# KiCad board HPM6750_COMBO_RevB .kicad_pcb (continued)
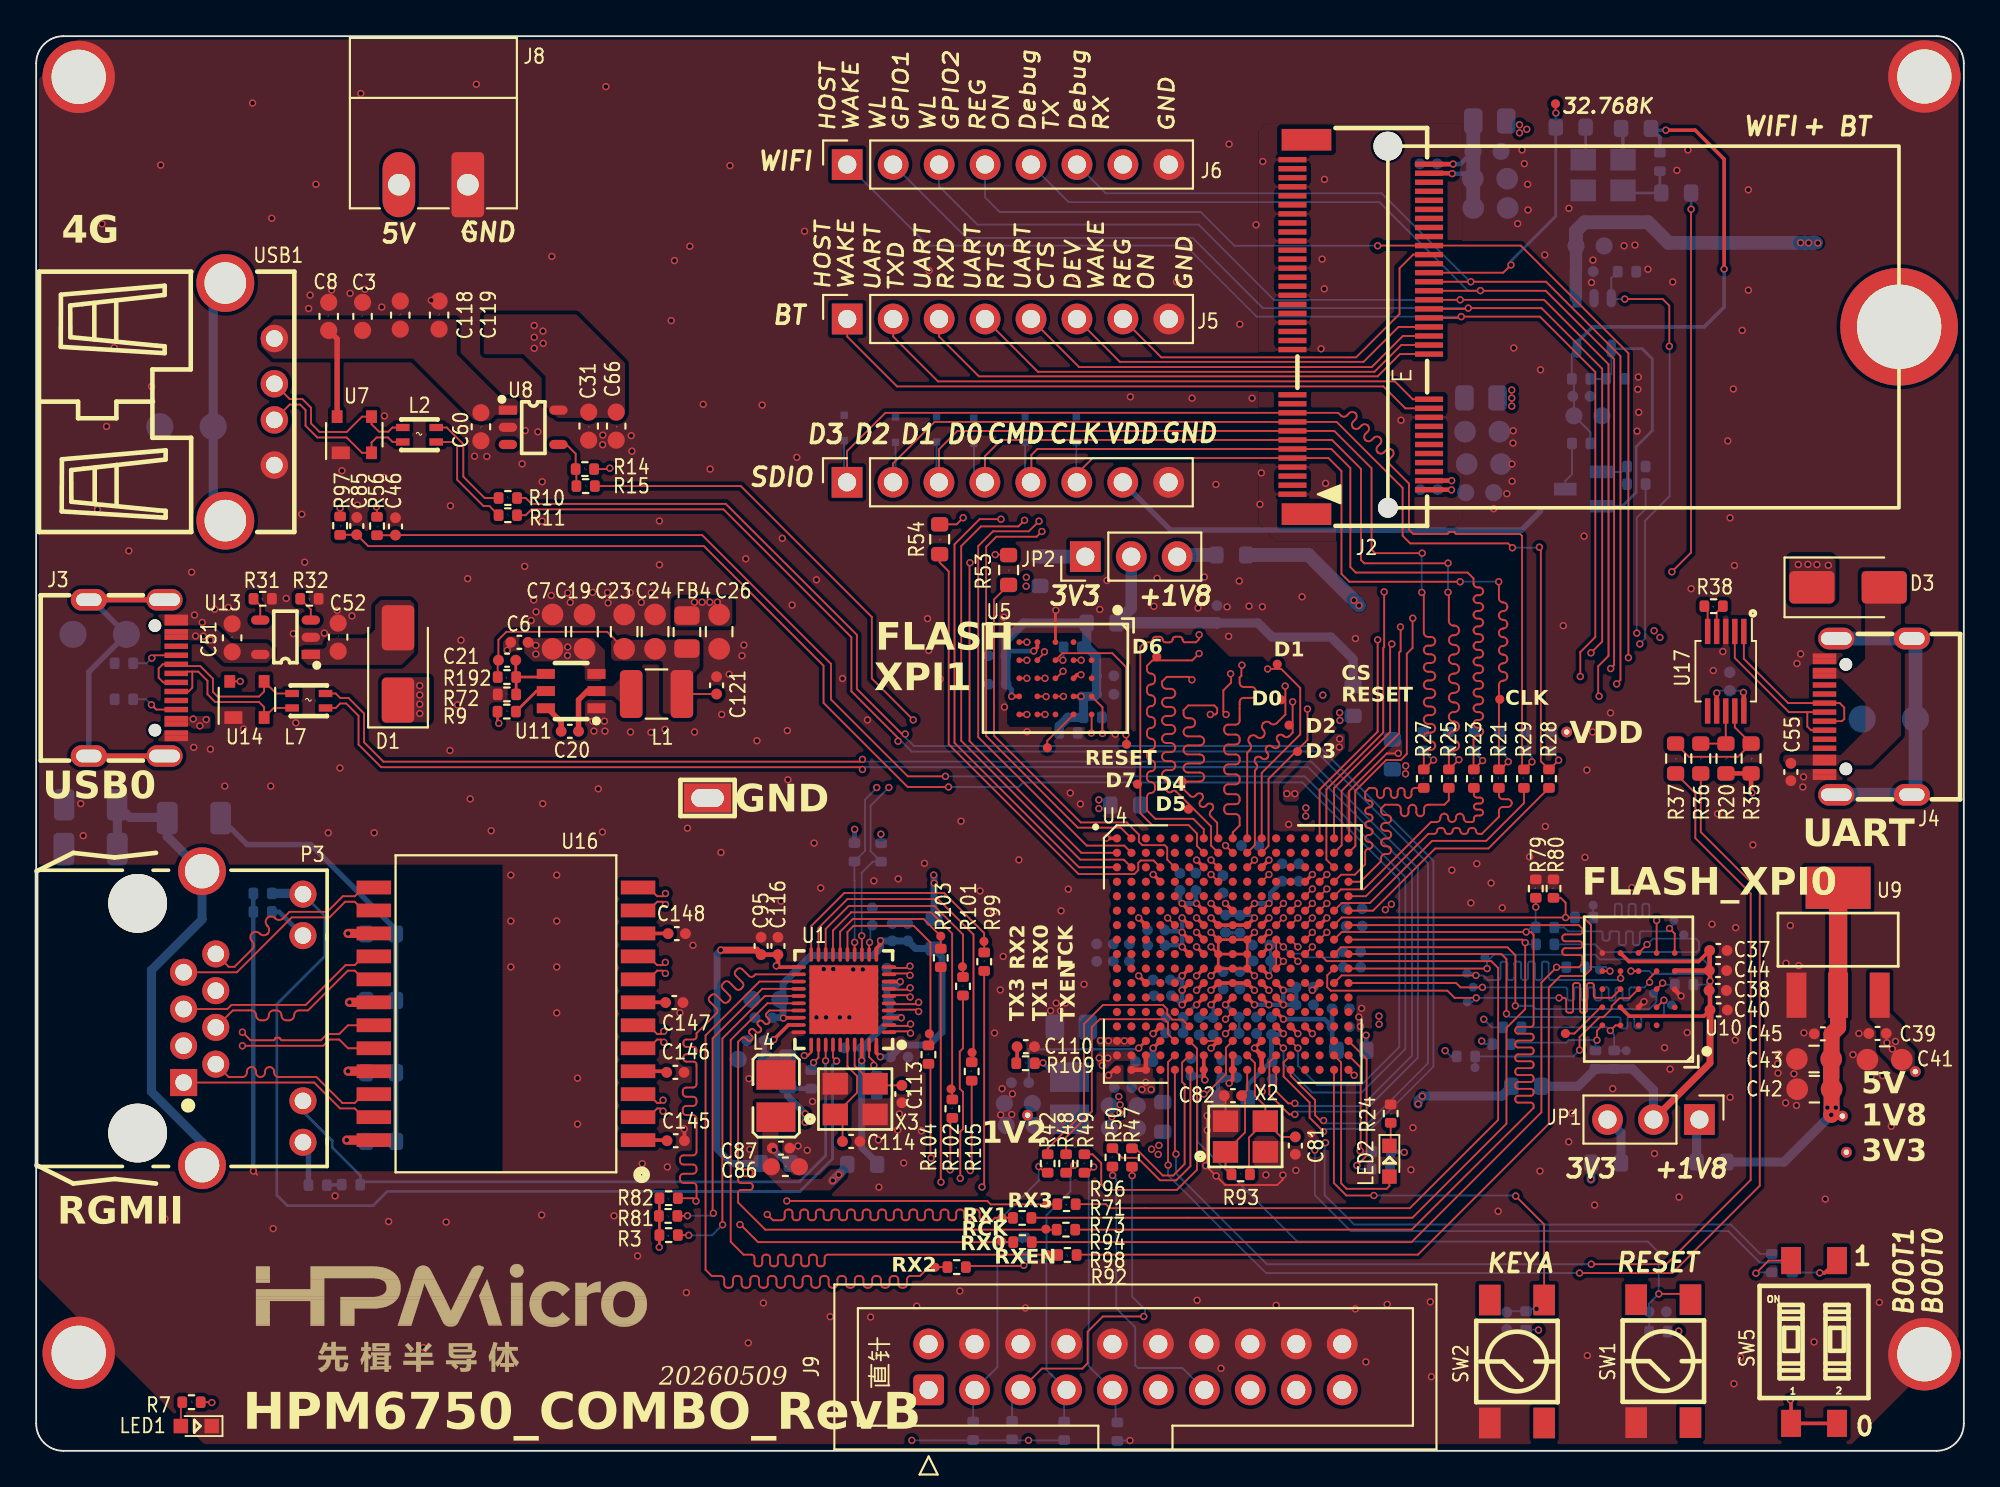
[diagram p0: board, top side]
## Routing (per net, layer and track width the routed paths; a pad name or vN(x,y) marks a point on that pad's centre or on a via; arc(x,y) is an arc through that point) (continued)
/01.MAIN/13.ETH_RGMII/RXC: length 36
  Top w0.102: U1.27 40.53,24.35 40.37,24.19 arc(40.33,24.1) 40.37,24 40.51,23.86 arc(40.55,23.77) 40.51,23.68 40.46,23.63 arc(40.37,23.59) 40.28,23.63 40.14,23.77 arc(40.04,23.81) 39.95,23.77 39.9,23.72 arc(39.86,23.63) 39.9,23.53 40.04,23.4 arc(40.08,23.3) 40.04,23.21 39.99,23.16 arc(39.9,23.12) 39.81,23.16 39.67,23.3 arc(39.57,23.34) 39.48,23.3 39.43,23.25 arc(39.4,23.16) 39.43,23.07 39.57,22.93 arc(39.61,22.83) 39.57,22.74 39.53,22.69 arc(39.43,22.65) 39.34,22.69 39.2,22.83 arc(39.11,22.87) 39.01,22.83 38.8,22.62 38.8,15.72 arc(38.84,15.61) 38.95,15.57 39.46,15.57 arc(39.56,15.52) 39.61,15.42 39.61,15.34 arc(39.56,15.23) 39.46,15.19 38.95,15.19 arc(38.84,15.14) 38.8,15.03 38.8,14.96 arc(38.84,14.85) 38.95,14.81 39.46,14.81 arc(39.56,14.76) 39.61,14.65 39.61,14.58 arc(39.56,14.47) 39.46,14.42 38.95,14.42 arc(38.84,14.38) 38.8,14.27 38.8,13.73 40.3,12.23 R73.2
/01.MAIN/13.ETH_RGMII/RXEN: length 39.1
  Top w0.102: U1.26 40.42,24.75 38.39,22.72 38.39,11.56 39.1,10.85 39.53,10.85 arc(39.65,10.8) 39.7,10.68 39.7,10.38 arc(39.75,10.26) 39.87,10.2 39.96,10.2 arc(40.08,10.26) 40.13,10.38 40.13,10.68 arc(40.18,10.8) 40.31,10.85 40.39,10.85 arc(40.51,10.8) 40.56,10.68 40.56,10.38 arc(40.61,10.26) 40.74,10.2 40.82,10.2 arc(40.94,10.26) 41,10.38 41,10.68 arc(41.05,10.8) 41.17,10.85 41.25,10.85 arc(41.38,10.8) 41.43,10.68 41.43,10.38 arc(41.48,10.26) 41.6,10.2 41.69,10.2 arc(41.81,10.26) 41.86,10.38 41.86,10.68 arc(41.91,10.8) 42.03,10.85 42.12,10.85 arc(42.24,10.8) 42.29,10.68 42.29,10.38 arc(42.34,10.26) 42.46,10.2 42.55,10.2 arc(42.67,10.26) 42.72,10.38 42.72,10.68 arc(42.77,10.8) 42.89,10.85 42.98,10.85 arc(43.1,10.8) 43.15,10.68 43.15,10.38 arc(43.2,10.26) 43.32,10.2 43.41,10.2 arc(43.53,10.26) 43.58,10.38 43.58,10.68 arc(43.63,10.8) 43.75,10.85 56.47,10.85 R98.2
/01.MAIN/13.ETH_RGMII/XTAL_IN: length 6.2
  Top w0.102: C114.1 44.57,18.2 X3.1 45.37,19.8 45.37,20.73 44.84,21.26 U1.36
/01.MAIN/13.ETH_RGMII/XTAL_OUT: length 4.2
  Top w0.102: C113.1 46.46,20.21 X3.3 46.24,20.3 45.24,21.3 U1.37
/01.MAIN/14.UART/DN: length 9.5
  Top w0.102: U17.2 93.89,43.84 96.88,40.85 97.9,40.85 ; 97.9,40.85 J4.A7 ; 97.9,40.85 97.9,40.05 98.1,39.85 J4.B7
/01.MAIN/14.UART/DP: length 10
  Top w0.102: J4.A6 99.82,40.35 99.94,40.47 99.94,41.1 99.69,41.35 J4.B6 96.84,41.35 94.39,43.8 U17.1
/01.MAIN/15.WIFI_BT/32.768K: length 14.7
  Top w0.102: v1(84,73.98) 83.98,74 TP1.1 ; v1(81.52,65.58) 81.09,65.15 J2.50
  Bottom w0.102: v1(84,73.98) 84,73.98 R67.2
  Bottom w0.152: v1(81.52,65.58) 81.52,65.8 84,68.28 R67.2
/01.MAIN/15.WIFI_BT/CLK: length 47.1
  Top w0.102: J1.6 57.52,54.02 58.4,54.9 J2.9 71.43,54.9 72.15,54.18 72.15,48.49 72.58,48.06 v1(78.71,48.06) ; v1(80.84,48.06) 80.85,48.05 80.85,47.15 arc(80.92,46.99) 81.08,46.92 arc(81.25,46.85) 81.32,46.68 81.32,46.67 arc(81.25,46.5) 81.08,46.44 arc(80.92,46.37) 80.85,46.2 80.85,46.19 arc(80.92,46.02) 81.08,45.96 arc(81.25,45.89) 81.32,45.72 81.32,45.71 arc(81.25,45.54) 81.08,45.47 arc(80.92,45.41) 80.85,45.24 80.85,45.23 arc(80.92,45.06) 81.08,44.99 arc(81.25,44.93) 81.32,44.76 81.32,44.75 arc(81.25,44.58) 81.08,44.51 arc(80.92,44.44) 80.85,44.28 80.85,44.26 arc(80.92,44.1) 81.08,44.03 arc(81.25,43.96) 81.32,43.8 81.32,43.78 arc(81.25,43.62) 81.08,43.55 arc(80.92,43.48) 80.85,43.32 80.85,43.3 arc(80.92,43.14) 81.08,43.07 arc(81.25,43) 81.32,42.84 81.32,42.82 arc(81.25,42.66) 81.08,42.59 arc(80.92,42.52) 80.85,42.36 R21.2 80.94,37.68 v1(81.37,38.11)
  Bottom w0.102: v1(80.84,48.06) v1(78.71,48.06) ; J1.6 57.49,53.59 D4.1 ; R19.1 81.37,38.26 v1(81.37,38.11)
/01.MAIN/15.WIFI_BT/CMD: length 53.6
  Top w0.102: v1(79.95,38.17) 79.47,37.69 R23.2 79.45,37.7 79.45,39.34 arc(79.51,39.49) 79.67,39.56 79.77,39.56 arc(79.92,39.62) 79.98,39.77 arc(79.92,39.92) 79.77,39.99 79.67,39.99 arc(79.51,40.05) 79.45,40.2 arc(79.51,40.35) 79.67,40.42 79.77,40.42 arc(79.92,40.48) 79.98,40.63 arc(79.92,40.79) 79.77,40.85 79.67,40.85 arc(79.51,40.91) 79.45,41.06 arc(79.51,41.22) 79.67,41.28 79.77,41.28 arc(79.92,41.34) 79.98,41.5 arc(79.92,41.65) 79.77,41.71 79.67,41.71 arc(79.51,41.77) 79.45,41.93 arc(79.51,42.08) 79.67,42.14 79.77,42.14 arc(79.92,42.2) 79.98,42.36 arc(79.92,42.51) 79.77,42.57 79.67,42.57 arc(79.51,42.64) 79.45,42.79 arc(79.51,42.94) 79.67,43 79.77,43 arc(79.92,43.07) 79.98,43.22 arc(79.92,43.37) 79.77,43.43 79.67,43.43 arc(79.51,43.5) 79.45,43.65 arc(79.51,43.8) 79.67,43.87 79.77,43.87 arc(79.92,43.93) 79.98,44.08 arc(79.92,44.23) 79.77,44.3 79.67,44.3 arc(79.51,44.36) 79.45,44.51 arc(79.51,44.66) 79.67,44.73 79.77,44.73 arc(79.92,44.79) 79.98,44.94 arc(79.92,45.1) 79.77,45.16 79.67,45.16 arc(79.51,45.22) 79.45,45.37 arc(79.51,45.53) 79.67,45.59 79.77,45.59 arc(79.92,45.65) 79.98,45.81 arc(79.92,45.96) 79.77,46.02 79.67,46.02 arc(79.51,46.08) 79.45,46.24 arc(79.51,46.39) 79.67,46.45 79.77,46.45 arc(79.92,46.51) 79.98,46.67 arc(79.92,46.82) 79.77,46.88 79.67,46.88 arc(79.51,46.95) 79.45,47.1 arc(79.51,47.25) 79.67,47.31 79.77,47.31 arc(79.92,47.38) 79.98,47.53 arc(79.92,47.68) 79.77,47.74 79.67,47.74 arc(79.51,47.81) 79.45,47.96 79.45,48.24 79.12,48.57 72.94,48.57 72.64,48.87 72.64,54.35 71.59,55.4 J2.11 55.34,55.4 55.01,55.07 55.01,53.59 J1.5
  Bottom w0.102: J1.5 54.66,53.88 D6.1 ; R2.1 79.48,38.64 v1(79.95,38.17)
/01.MAIN/15.WIFI_BT/DATA_0: length 53.4
  Top w0.102: v1(78.04,47.48) 78.08,47.44 78.08,45.9 arc(78.16,45.71) 78.35,45.63 78.39,45.63 arc(78.58,45.56) 78.65,45.37 arc(78.58,45.18) 78.39,45.1 78.35,45.1 arc(78.16,45.03) 78.08,44.84 arc(78.16,44.65) 78.35,44.57 78.39,44.57 arc(78.58,44.49) 78.65,44.31 arc(78.58,44.12) 78.39,44.04 78.35,44.04 arc(78.16,43.96) 78.08,43.78 arc(78.16,43.59) 78.35,43.51 78.39,43.51 arc(78.58,43.43) 78.65,43.25 arc(78.58,43.06) 78.39,42.98 78.35,42.98 arc(78.16,42.9) 78.08,42.71 arc(78.16,42.53) 78.35,42.45 78.39,42.45 arc(78.58,42.37) 78.65,42.18 arc(78.58,42) 78.39,41.92 78.35,41.92 arc(78.16,41.84) 78.08,41.65 arc(78.16,41.46) 78.35,41.39 78.39,41.39 arc(78.58,41.31) 78.65,41.12 arc(78.58,40.93) 78.39,40.86 78.35,40.86 arc(78.16,40.78) 78.08,40.59 arc(78.16,40.4) 78.35,40.32 78.39,40.32 arc(78.58,40.25) 78.65,40.06 arc(78.58,39.87) 78.39,39.79 78.35,39.79 arc(78.16,39.72) 78.08,39.53 arc(78.16,39.34) 78.35,39.26 78.39,39.26 arc(78.58,39.18) 78.65,39 arc(78.58,38.81) 78.39,38.73 78.35,38.73 arc(78.16,38.65) 78.08,38.47 R25.2 78.1,37.68 v1(78.64,38.22) ; J1.4 52.44,55 53.34,55.9 J2.13 71.63,55.9 73.23,54.3 73.23,49.26 73.41,49.08 78.03,49.08 v1(78.04,49.09)
  Bottom w0.102: J1.4 51.83,54.17 D7.1 ; R8.1 78.58,38.22 v1(78.64,38.22) ; v1(78.04,49.09) v1(78.04,47.48)
/01.MAIN/15.WIFI_BT/DATA_1: length 56.2
  Top w0.102: v1(76.59,47.47) 76.7,47.36 76.7,45.25 arc(76.77,45.08) 76.94,45.01 77.09,45.01 arc(77.26,44.94) 77.33,44.77 arc(77.26,44.6) 77.09,44.53 76.94,44.53 arc(76.77,44.46) 76.7,44.29 arc(76.77,44.12) 76.94,44.05 77.09,44.05 arc(77.26,43.98) 77.33,43.81 arc(77.26,43.64) 77.09,43.57 76.94,43.57 arc(76.77,43.5) 76.7,43.33 arc(76.77,43.16) 76.94,43.09 77.09,43.09 arc(77.26,43.02) 77.33,42.85 arc(77.26,42.67) 77.09,42.6 76.94,42.6 arc(76.77,42.53) 76.7,42.36 arc(76.77,42.19) 76.94,42.12 77.09,42.12 arc(77.26,42.05) 77.33,41.88 arc(77.26,41.71) 77.09,41.64 76.94,41.64 arc(76.77,41.57) 76.7,41.4 arc(76.77,41.23) 76.94,41.16 77.09,41.16 arc(77.26,41.09) 77.33,40.92 arc(77.26,40.75) 77.09,40.68 76.94,40.68 arc(76.77,40.61) 76.7,40.44 arc(76.77,40.27) 76.94,40.2 77.09,40.2 arc(77.26,40.13) 77.33,39.96 arc(77.26,39.79) 77.09,39.72 76.94,39.72 arc(76.77,39.65) 76.7,39.48 arc(76.77,39.31) 76.94,39.24 77.09,39.24 arc(77.26,39.17) 77.33,39 arc(77.26,38.83) 77.09,38.76 76.94,38.76 arc(76.77,38.69) 76.7,38.52 R27.2 76.72,37.68 v1(77.24,38.2) ; v1(76.61,49.64) 74.01,49.64 73.81,49.84 73.81,54.34 71.75,56.4 J2.15 50.92,56.4 49.9,55.38 J1.3
  Bottom w0.102: v1(76.61,49.64) 76.59,49.62 v1(76.59,47.47) ; R16.1 77.19,38.2 v1(77.24,38.2) ; D8.1 49.77,53.69 J1.3
/01.MAIN/15.WIFI_BT/DATA_2: length 58.4
  Top w0.102: v1(84.15,38.19) 83.64,37.68 R28.2 83.17,38.13 83.17,49.89 v1(83.09,49.97) ; v1(81.6,49.94) 81.36,50.18 75.95,50.18 75.53,50.6 75.53,53.25 71.88,56.9 J2.17 49.66,56.9 47.36,54.6 J1.2
  Bottom w0.102: J1.2 47.5,53.7 D9.1 ; R17.1 84.15,38.3 v1(84.15,38.19) ; v1(81.6,49.94) 83.06,49.94 v1(83.09,49.97)
/01.MAIN/15.WIFI_BT/DATA_3: length 65.3
  Top w0.102: v1(82.68,38.1) 82.26,37.68 R29.2 82.13,37.79 82.13,50.6 82.03,50.7 78.5,50.7 arc(78.46,50.72) 78.44,50.76 arc(78.42,50.8) 78.38,50.82 78.12,50.82 arc(78.08,50.8) 78.06,50.76 arc(78.04,50.72) 78,50.7 76.12,50.7 75.88,50.94 75.88,53.49 74.84,54.53 arc(74.77,54.7) 74.84,54.87 74.96,55 arc(75.03,55.17) 74.96,55.34 arc(74.79,55.41) 74.62,55.34 74.5,55.21 arc(74.33,55.14) 74.16,55.21 arc(74.09,55.38) 74.16,55.55 74.28,55.68 arc(74.35,55.85) 74.28,56.02 arc(74.11,56.09) 73.94,56.02 73.82,55.89 arc(73.65,55.82) 73.48,55.89 arc(73.41,56.06) 73.48,56.23 73.6,56.36 arc(73.67,56.53) 73.6,56.7 arc(73.43,56.77) 73.26,56.7 73.14,56.57 arc(72.97,56.5) 72.8,56.57 arc(72.72,56.74) 72.8,56.91 72.92,57.04 arc(72.99,57.21) 72.92,57.38 arc(72.75,57.45) 72.58,57.38 72.46,57.26 arc(72.29,57.18) 72.12,57.26 71.97,57.4 J2.19 46.94,57.4 44.82,55.28 J1.1
  Bottom w0.102: 45.25,53.99 J1.1 44.66,53.72 D10.1 ; R18.1 82.68,38.36 v1(82.68,38.1)
/01.MAIN/15.WIFI_BT/RX: length 42.5
  Top w0.102: J5.3 49.91,61.62 52.1,59.42 74.15,59.42 75.38,60.65 J2.32 ; R54.1 50.88,51.24 v1(51.24,51.6)
  POWER3 w0.102: v1(51.24,51.6) 51.24,61.26 J5.3
/01.MAIN/15.WIFI_BT/TX: length 50.2
  Top w0.102: R53.1 53.73,49.56 v1(53.01,49.56) 52.95,49.5 ; J5.2 47.37,61.62 49.85,59.14 75.1,59.14 76.09,58.15 J2.22
  POWER3 w0.102: J5.2 48.73,61.23 48.73,50.45 49.62,49.56 v1(53.01,49.56)
/01.MAIN/16.FLASH_XPI0/Flash_D4: length 1.9
  Top w0.102: U10.D5 v1(86.99,26.53)
  Bottom w0.102: R86.1 86.77,26.75 v1(86.99,26.53)
/01.MAIN/16.FLASH_XPI0/Flash_D5: length 12.4
  Top w0.102: U10.E3 v1(89.04,28)
  Bottom w0.102: v1(89.04,28) 89.36,28.32 91.75,28.32 91.91,28.16 91.91,27.71 91.78,27.58 86.59,27.58 86.16,28.01 R88.2
/01.MAIN/16.FLASH_XPI0/Flash_D6: length 10
  Top w0.102: U10.E2 v1(89.57,29.33)
  Bottom w0.102: v1(89.57,29.33) 89.41,29.49 89.28,29.49 arc(89.2,29.52) 89.17,29.6 89.17,30.14 arc(89.13,30.22) 89.05,30.25 88.9,30.25 arc(88.82,30.22) 88.78,30.14 88.78,29.6 arc(88.75,29.52) 88.67,29.49 88.52,29.49 arc(88.44,29.52) 88.4,29.6 88.4,30.14 arc(88.37,30.22) 88.29,30.25 88.14,30.25 arc(88.06,30.22) 88.02,30.14 88.02,29.6 arc(87.99,29.52) 87.91,29.49 87.76,29.49 arc(87.68,29.52) 87.64,29.6 87.64,30.14 arc(87.61,30.22) 87.53,30.25 87.38,30.25 arc(87.29,30.22) 87.26,30.14 87.26,29.6 arc(87.23,29.52) 87.15,29.49 R87.2 86.06,29.5 TP14.1
/01.MAIN/16.FLASH_XPI0/Flash_D7: length 12
  Top w0.102: U10.E1 90.57,28.6 v1(90.28,28.89)
  Bottom w0.102: TP15.1 90.52,29.13 v1(90.28,28.89) 90.12,28.73 88.75,28.73 arc(88.67,28.7) 88.64,28.62 88.64,28.08 arc(88.6,28) 88.52,27.97 88.37,27.97 arc(88.29,28) 88.25,28.08 88.25,28.62 arc(88.22,28.7) 88.14,28.73 87.99,28.73 arc(87.91,28.7) 87.87,28.62 87.87,28.08 arc(87.84,28) 87.76,27.97 87.61,27.97 arc(87.53,28) 87.49,28.08 87.49,28.62 arc(87.46,28.7) 87.38,28.73 87.08,28.73 arc(87,28.7) 86.97,28.62 86.97,28.33 arc(86.93,28.25) 86.85,28.22 86.7,28.22 arc(86.62,28.25) 86.58,28.33 86.58,28.62 arc(86.55,28.7) 86.47,28.73 84.67,28.73 84.46,28.94 R89.2
/01.MAIN/16.FLASH_XPI0/Flash_DQS: length 11.8
  Top w0.102: 88.51,25.53 U10.C3 88.56,25.53 88.06,25.03 87.51,25.03 87.08,24.6 87.08,24.44 86.62,23.98 86.41,23.98 85.31,22.88 v1(85.31,22.16)
  Bottom w0.102: v1(85.31,22.16) 84.96,21.81 R90.2 79.54,21.2 TP16.1
/01.MAIN/16.FLASH_XPI0/Flash_ERR#: length 6.5
  Top w0.102: U10.A5 86.27,23.23 v1(86.27,22.71)
  Bottom w0.102: v1(86.27,22.71) 84.71,22.71 84.57,22.57 81.58,22.57 R84.1 ; v1(86.27,22.71) 86.19,22.63 R12.2 ; v1(86.27,22.71) 86.22,22.66
/01.MAIN/16.FLASH_XPI0/Flash_RESET#: length 7.5
  Top w0.102: v1(87.01,23.24) 87.3,23.53 U10.A4
  Bottom w0.102: R85.2 86.83,23.42 v1(87.01,23.24) 87.22,23.03 R4.2 87.23,22.13 TP18.1
/01.MAIN/PA31: length 46.7
  Top w0.102: R15.2 38.95,53.35 46.19,46.11 46.19,42.71 v1(48.48,40.42) ; U4.G5 v1(62.54,29.47)
  POWER3 w0.102: v1(62.54,29.47) 62.93,29.86 62.93,32.95 60.99,34.89 54.01,34.89 v1(48.48,40.42)
/01.MAIN/PB15: length 64
  Top w0.102: J2.34 75.45,61.15 73.97,59.67 55.37,59.67 J5.4 ; v1(53.33,51.52) 52.15,51.52 50.76,50.13 50.76,39.15 57.64,32.27 U4.C1
  POWER3 w0.102: v1(53.33,51.52) 53.68,51.87 53.68,61.36 J5.4
/01.MAIN/PB16: length 72.9
  Top w0.102: U4.B1 57.77,33.07 51.59,39.25 51.59,49.09 v1(51.61,49.11) ; J2.20 75.68,57.65 74.47,58.86 47.59,58.86 44.83,61.62 J5.1
  POWER3 w0.102: J5.1 46.17,61.25 46.17,52.35 49.41,49.11 v1(51.61,49.11)
/01.MAIN/PB17: length 63.3
  Top w0.102: v1(54.63,51.46) 54.29,51.12 52.22,51.12 51.13,50.03 51.13,39.27 57.71,32.69 60.12,32.69 U4.C2 ; J2.36 75.54,61.65 73.82,59.93 57.65,59.93 J5.5
  POWER3 w0.102: J5.5 56.23,61.35 56.23,53.06 v1(54.63,51.46)
/01.MAIN/PB18: length 60.8
  Top w0.102: v1(55.43,51.41) 54.87,50.85 52.89,50.85 52.07,50.03 52.07,39.47 58.07,33.47 60.14,33.47 U4.B2 ; J5.6 59.9,60.22 73.37,60.22 75.3,62.15 J2.38
  POWER3 w0.102: v1(55.43,51.41) 57.14,51.41 58.65,52.92 58.65,61.47 J5.6
/01.MAIN/PB19: length 60.6
  Top w0.102: v1(55.59,50.84) 55.3,50.55 53.07,50.55 52.51,49.99 52.51,39.53 57.58,34.46 59.95,34.46 U4.A2 ; J2.54 76.11,66.15 75.36,65.4 75.36,62.87 72.96,60.47 62.19,60.47 J5.7
  POWER3 w0.102: v1(55.59,50.84) 55.61,50.86 57.07,50.86 58.91,52.7 58.91,58.85 60.31,60.25 60.31,62.35 J5.7
/01.MAIN/PB23: length 26.1
  Top w0.102: R54.2 49.94,49.13 50.44,48.63 50.44,39.07 57.62,31.89 60.7,31.89 60.92,32.11 60.92,32.52 61.05,32.65 61.76,32.65 U4.C4
/01.MAIN/PB28: length 22.3
  Top w0.102: 53.75,47.89 52.94,47.08 52.94,39.55 57.74,34.75 60.28,34.75 60.95,34.08 60.95,33.68 61.14,33.49 62.38,33.49 62.52,33.35 62.52,32.69 U4.C5
/01.MAIN/PC6: length 28.6
  Top w0.102: v1(64.28,45.13) 64.28,44.88 64.11,44.71 63.48,44.71 arc(63.4,44.77) 63.36,44.87 arc(63.32,44.98) 63.21,45.02 62.97,45.02 arc(62.86,44.98) 62.81,44.87 arc(62.77,44.76) 62.66,44.71 62.42,44.71 arc(62.31,44.76) 62.26,44.87 arc(62.22,44.98) 62.11,45.02 61.87,45.02 arc(61.76,44.98) 61.71,44.87 arc(61.67,44.76) 61.56,44.71 61.28,44.71 61.03,44.46 61.03,35.26 61.69,34.6 63.7,34.6 64.16,34.14 64.16,33.45 U4.B7 ; v1(54.76,44.72) U5.E1
  POWER3 w0.102: v1(54.76,44.72) 55.22,45.18 64.23,45.18 v1(64.28,45.13)
/01.MAIN/PC7: length 28.4
  Top w0.102: U4.A7 64.54,34.37 63.96,34.95 61.86,34.95 61.4,35.41 61.4,36.16 arc(61.46,36.32) 61.62,36.38 arc(61.78,36.44) 61.84,36.6 61.84,36.76 arc(61.78,36.92) 61.62,36.98 arc(61.46,37.04) 61.4,37.2 61.4,37.36 arc(61.46,37.52) 61.62,37.58 arc(61.78,37.64) 61.84,37.8 61.84,37.96 arc(61.78,38.12) 61.62,38.18 arc(61.46,38.24) 61.4,38.4 61.4,38.56 arc(61.46,38.72) 61.62,38.78 arc(61.78,38.84) 61.84,39 61.84,39.16 arc(61.78,39.32) 61.62,39.38 arc(61.46,39.44) 61.4,39.6 61.4,39.76 arc(61.46,39.92) 61.62,39.98 arc(61.78,40.04) 61.84,40.2 61.84,40.36 arc(61.78,40.52) 61.62,40.58 arc(61.46,40.64) 61.4,40.8 61.4,40.96 arc(61.46,41.12) 61.62,41.18 arc(61.78,41.24) 61.84,41.4 61.84,41.56 arc(61.78,41.72) 61.62,41.78 arc(61.46,41.84) 61.4,42 61.4,42.16 arc(61.46,42.32) 61.62,42.38 arc(61.78,42.44) 61.84,42.6 61.84,42.76 arc(61.78,42.92) 61.62,42.98 arc(61.46,43.04) 61.4,43.2 61.4,43.41 61.7,43.71 63.9,43.71 v1(64.28,44.09) ; v1(54.76,43.72) U5.E2
  POWER3 w0.102: v1(64.28,44.09) 64.22,44.15 56.27,44.15 55.84,43.72 v1(54.76,43.72)
/01.MAIN/PC9: length 13.5
  Top w0.102: U4.D8 v1(64.94,31.87) ; v1(58.33,39.69) 58.34,39.7 U5.A5
  POWER3 w0.102: v1(58.33,39.69) 59.19,38.83 60.19,38.83 64.57,34.45 64.57,32.24 v1(64.94,31.87)
  Bottom w0.102: v1(58.33,39.69) 57.58,39.69 R60.2
/01.MAIN/PC10: length 13.8
  Top w0.102: v1(58.94,39.67) 58.94,41.12 U5.A4 ; U4.C8 v1(64.94,32.67)
  POWER3 w0.102: v1(64.94,32.67) 64.94,34.52 60.33,39.13 59.48,39.13 v1(58.94,39.67)
  Bottom w0.102: v1(58.94,39.67) 58.91,39.7 R59.2
/01.MAIN/PC11: length 28.2
  Top w0.102: v1(63.88,42.64) 63.72,42.8 62.49,42.8 62.23,42.54 62.23,42.39 arc(62.3,42.21) 62.48,42.14 62.71,42.14 arc(62.89,42.07) 62.96,41.89 arc(62.89,41.71) 62.71,41.64 62.48,41.64 arc(62.3,41.57) 62.23,41.39 arc(62.3,41.21) 62.48,41.14 62.71,41.14 arc(62.89,41.07) 62.96,40.89 arc(62.89,40.71) 62.71,40.64 62.48,40.64 arc(62.3,40.57) 62.23,40.39 arc(62.3,40.21) 62.48,40.14 62.71,40.14 arc(62.89,40.07) 62.96,39.89 arc(62.89,39.71) 62.71,39.64 62.48,39.64 arc(62.3,39.57) 62.23,39.39 arc(62.3,39.21) 62.48,39.14 62.71,39.14 arc(62.89,39.07) 62.96,38.89 arc(62.89,38.71) 62.71,38.64 62.48,38.64 arc(62.3,38.57) 62.23,38.39 arc(62.3,38.21) 62.48,38.14 62.71,38.14 arc(62.89,38.07) 62.96,37.89 arc(62.89,37.71) 62.71,37.64 62.48,37.64 arc(62.3,37.57) 62.23,37.39 62.23,37.24 62.51,36.97 arc(62.55,36.85) 62.5,36.73 arc(62.46,36.61) 62.5,36.49 62.54,36.46 arc(62.66,36.41) 62.77,36.46 arc(62.89,36.51) 63.01,36.46 64.94,34.53 64.94,33.47 U4.B8 ; v1(54.76,42.72) U5.E3
  POWER3 w0.102: v1(54.76,42.72) 55.22,43.18 55.96,43.18 56.64,42.5 58.02,42.5 58.17,42.65 63.87,42.65 v1(63.88,42.64)
/01.MAIN/PC12: length 28.6
  Top w0.102: U4.A8 65.28,33.93 65.28,34.73 64.92,35.09 arc(64.86,35.23) 64.92,35.37 65.01,35.46 arc(65.07,35.6) 65.01,35.74 arc(64.87,35.8) 64.72,35.74 64.64,35.65 arc(64.5,35.6) 64.36,35.65 arc(64.3,35.8) 64.36,35.94 64.44,36.02 arc(64.5,36.16) 64.44,36.31 arc(64.3,36.36) 64.16,36.31 64.07,36.22 arc(63.93,36.16) 63.79,36.22 63.42,36.59 63.42,36.76 arc(63.49,36.94) 63.67,37.01 64.31,37.01 arc(64.49,37.08) 64.56,37.26 arc(64.49,37.44) 64.31,37.51 63.67,37.51 arc(63.49,37.58) 63.42,37.76 arc(63.49,37.94) 63.67,38.01 64.31,38.01 arc(64.49,38.08) 64.56,38.26 arc(64.49,38.44) 64.31,38.51 63.67,38.51 arc(63.49,38.58) 63.42,38.76 arc(63.49,38.94) 63.67,39.01 64.31,39.01 arc(64.49,39.08) 64.56,39.26 arc(64.49,39.44) 64.31,39.51 63.67,39.51 arc(63.49,39.58) 63.42,39.76 arc(63.49,39.94) 63.67,40.01 63.81,40.01 arc(63.99,40.08) 64.06,40.26 arc(63.99,40.44) 63.81,40.51 63.67,40.51 arc(63.49,40.58) 63.42,40.76 63.42,40.96 63.68,41.22 65.12,41.22 65.28,41.06 65.28,40.81 65.19,40.72 v1(64.9,40.72) ; v1(55.76,40.72) U5.D5
  POWER3 w0.102: v1(64.9,40.72) 64.89,40.72 64.52,40.35 59.74,40.35 arc(59.64,40.31) 59.6,40.21 arc(59.56,40.11) 59.46,40.07 59.16,40.07 arc(59.06,40.11) 59.02,40.21 arc(58.98,40.31) 58.88,40.35 56.13,40.35 v1(55.76,40.72)
/01.MAIN/PC16: length 19.8
  Top w0.102: v1(56.75,43.72) U5.C2 56.73,44.11 59.48,44.11 60.24,43.35 v1(60.24,39.6) 60.27,39.57 TP45.1 ; U4.B9 v1(65.74,33.47)
  POWER3 w0.102: v1(65.74,33.47) 65.45,33.76 65.45,36.08 61.93,39.6 v1(60.24,39.6)
  Bottom w0.102: R61.2 56.79,43.76 v1(56.75,43.72)
/01.MAIN/PC20: length 25.6
  Top w0.102: v1(65.77,40.72) 65.62,40.87 65.62,42.05 66.05,42.48 66.05,42.94 v1(66.02,42.97) ; v1(67.34,32.67) U4.C10 ; U5.C3 56.37,42.72 v1(56.76,43.11)
  POWER3 w0.102: v1(66.02,42.97) 65.82,43.17 63.43,43.17 63.36,43.1 62.18,43.1 arc(62.14,43.12) 62.12,43.16 arc(62.1,43.2) 62.06,43.22 61.8,43.22 arc(61.76,43.2) 61.74,43.16 arc(61.72,43.12) 61.68,43.1 58.26,43.1 58.04,43.32 57.37,43.32 57.16,43.11 v1(56.76,43.11) ; v1(65.77,40.72) 65.92,40.57 65.92,40.07 arc(66.01,39.86) 66.21,39.78 66.33,39.78 arc(66.53,39.69) 66.62,39.49 arc(66.53,39.28) 66.33,39.2 66.21,39.2 arc(66.01,39.11) 65.92,38.91 arc(66.01,38.7) 66.21,38.62 66.33,38.62 arc(66.53,38.53) 66.62,38.33 arc(66.53,38.12) 66.33,38.04 66.21,38.04 arc(66.01,37.95) 65.92,37.75 arc(66.01,37.54) 66.21,37.46 66.33,37.46 arc(66.53,37.37) 66.62,37.17 arc(66.53,36.96) 66.33,36.87 66.21,36.87 arc(66.01,36.79) 65.92,36.58 arc(66.01,36.38) 66.21,36.29 66.33,36.29 arc(66.53,36.21) 66.62,36 arc(66.53,35.8) 66.33,35.71 66.21,35.71 arc(66.01,35.63) 65.92,35.42 65.92,34.06 67.31,32.67 v1(67.34,32.67)
/01.MAIN/PC21: length 27.1
  Top w0.102: v1(56.78,41.72) U5.C4 ; v1(69.45,41.42) 69.45,39.71 69.26,39.52 arc(69.11,39.46) 68.96,39.52 68.94,39.55 arc(68.78,39.61) 68.63,39.55 arc(68.57,39.39) 68.63,39.24 68.65,39.22 arc(68.72,39.07) 68.65,38.91 arc(68.5,38.85) 68.35,38.91 68.33,38.94 arc(68.17,39) 68.02,38.94 arc(67.96,38.78) 68.02,38.63 68.04,38.61 arc(68.11,38.46) 68.04,38.3 arc(67.89,38.24) 67.74,38.3 67.72,38.33 arc(67.56,38.39) 67.41,38.33 arc(67.35,38.18) 67.41,38.02 67.44,38 arc(67.5,37.85) 67.44,37.7 67.36,37.62 67.36,33.49 U4.B10
  POWER3 w0.102: v1(56.78,41.72) 57.2,41.3 59.65,41.3 arc(59.74,41.34) 59.77,41.42 arc(59.81,41.51) 59.89,41.54 60.18,41.54 arc(60.27,41.51) 60.3,41.42 arc(60.34,41.34) 60.43,41.3 63.72,41.3 64.61,42.19 65.61,42.19 67.07,40.73 67.32,40.73 arc(67.48,40.8) 67.56,40.97 67.56,41.19 arc(67.63,41.36) 67.8,41.43 67.92,41.43 arc(68.08,41.36) 68.16,41.19 68.16,40.97 arc(68.23,40.8) 68.4,40.73 69.22,40.73 69.45,40.96 v1(69.45,41.42)
/01.MAIN/PC22: length 27.7
  Top w0.102: v1(55.76,42.72) U5.D3 ; v1(69.04,42.29) 69.05,42.28 69.05,40.72 68.58,40.25 arc(68.39,40.17) 68.21,40.25 arc(68.02,40.32) 67.84,40.25 67.83,40.24 arc(67.75,40.06) 67.83,39.87 arc(67.91,39.69) 67.83,39.5 67.83,39.5 arc(67.64,39.42) 67.46,39.5 arc(67.27,39.57) 67.09,39.5 67.08,39.49 arc(67,39.3) 67.08,39.12 arc(67.16,38.93) 67.08,38.75 66.94,38.61 U4.A10
  POWER3 w0.102: v1(55.76,42.72) 55.76,42.49 56.1,42.15 58.45,42.15 arc(58.61,42.08) 58.67,41.93 arc(58.74,41.77) 58.9,41.7 59.05,41.7 arc(59.21,41.77) 59.27,41.93 arc(59.34,42.08) 59.5,42.15 61.21,42.15 arc(61.37,42.08) 61.43,41.93 arc(61.5,41.77) 61.66,41.7 61.81,41.7 arc(61.97,41.77) 62.03,41.93 arc(62.1,42.08) 62.26,42.15 62.41,42.15 arc(62.57,42.08) 62.63,41.93 arc(62.7,41.77) 62.86,41.7 63.01,41.7 arc(63.17,41.77) 63.23,41.93 arc(63.3,42.08) 63.46,42.15 64,42.15 64.57,42.72 65.6,42.72 66.03,42.29 66.47,42.29 arc(66.63,42.36) 66.7,42.52 arc(66.76,42.67) 66.92,42.74 67.07,42.74 arc(67.23,42.67) 67.3,42.52 67.3,42.07 arc(67.36,41.91) 67.52,41.84 67.67,41.84 arc(67.83,41.91) 67.9,42.07 arc(67.96,42.22) 68.12,42.29 v1(69.04,42.29)
/01.MAIN/PC24: length 11.7
  Top w0.102: U4.D11 v1(68.14,31.87) ; 71.13,41.8 v1(71.12,41.79)
  POWER3 w0.102: v1(71.12,41.79) 71.12,40.55 68.58,38.01 68.58,32.31 v1(68.14,31.87)
/01.MAIN/PC25: length 27.3
  Top w0.102: U5.D4 55.81,41.72 v1(55.82,41.71) ; U4.B11 68.12,33.45 68.12,37.16 70.27,39.31 v1(70.27,41.02)
  POWER3 w0.102: v1(55.82,41.71) 56.63,40.9 64.08,40.9 64.4,41.22 64.72,41.22 arc(64.81,41.26) 64.84,41.35 arc(64.88,41.43) 64.97,41.47 65.32,41.47 arc(65.41,41.43) 65.44,41.35 arc(65.48,41.26) 65.57,41.22 65.93,41.22 67.03,40.12 68.1,40.12 arc(68.27,40.05) 68.34,39.88 68.34,39.36 arc(68.41,39.19) 68.58,39.12 68.7,39.12 arc(68.87,39.19) 68.94,39.36 68.94,39.88 arc(69.01,40.05) 69.18,40.12 69.73,40.12 70.27,40.66 v1(70.27,41.02)
/01.MAIN/PC26: length 28.1
  Top w0.102: v1(55.73,44.19) 55.73,44.13 55.34,43.74 U5.D2 ; v1(68.07,43.24) 68.82,43.24 69.87,42.19 69.87,39.62 67.74,37.49 U4.A11
  POWER3 w0.102: v1(55.73,44.19) 56.06,44.52 56.42,44.52 arc(56.53,44.56) 56.57,44.67 arc(56.62,44.78) 56.72,44.82 57.02,44.82 arc(57.13,44.78) 57.17,44.67 arc(57.22,44.56) 57.32,44.52 57.62,44.52 arc(57.73,44.56) 57.77,44.67 arc(57.82,44.78) 57.92,44.82 58.22,44.82 arc(58.33,44.78) 58.37,44.67 arc(58.42,44.56) 58.52,44.52 58.82,44.52 arc(58.93,44.56) 58.97,44.67 arc(59.02,44.78) 59.12,44.82 59.42,44.82 arc(59.53,44.78) 59.57,44.67 arc(59.62,44.56) 59.72,44.52 60.02,44.52 arc(60.13,44.56) 60.17,44.67 arc(60.22,44.78) 60.32,44.82 60.62,44.82 arc(60.73,44.78) 60.77,44.67 arc(60.82,44.56) 60.92,44.52 61.22,44.52 arc(61.33,44.56) 61.37,44.67 arc(61.42,44.78) 61.52,44.82 61.82,44.82 arc(61.93,44.78) 61.97,44.67 arc(62.02,44.56) 62.12,44.52 62.42,44.52 arc(62.53,44.56) 62.57,44.67 arc(62.62,44.78) 62.72,44.82 63.02,44.82 arc(63.13,44.78) 63.17,44.67 arc(63.22,44.56) 63.32,44.52 66.56,44.52 arc(66.68,44.57) 66.73,44.7 arc(66.79,44.82) 66.91,44.87 67.16,44.87 arc(67.28,44.82) 67.33,44.7 arc(67.39,44.57) 67.51,44.52 67.78,44.52 68.07,44.23 v1(68.07,43.24)
/01.MAIN/PD10: length 35.2
  Top w0.102: v1(74.15,44.85) 74.15,39.77 70.94,36.56 U4.A15
  POWER3 w0.102: v1(88.47,45.22) 88.39,45.14 74.44,45.14 v1(74.15,44.85)
  Bottom w0.102: R44.2 88.96,52.09 88.47,51.6 v1(88.47,45.22)
/01.MAIN/PD11: length 54.5
  Top w0.102: v1(91.47,68.66) 91.47,68.66 91.47,49.67 v1(90.41,48.61) ; U4.C16 71.32,32.69 71.32,36.58 74.46,39.72 74.46,44.4 74.51,44.45 v1(74.51,47.5)
  POWER3 w0.102: v1(74.51,47.5) 75.53,48.52 90.32,48.52 v1(90.41,48.61)
  Bottom w0.152: v1(91.47,68.66) R70.2
/01.MAIN/PD12: length 63.3
  Top w0.102: v1(45.63,28.48) 45.64,28.47 U1.13 ; v1(75.41,45.56) 75.42,45.55 75.42,44.23 75.34,44.15 75.34,39.68 72.16,36.5 72.16,35.2 72.16,35.19 72.16,33.49 U4.B16
  POWER3 w0.102: v1(75.41,45.56) 70.62,45.56 68.93,47.25 55.82,47.25 55.55,46.98 48.63,46.98 47.13,45.48 47.13,40.9 ; v1(47.13,36.68) 47.13,41.04
  Bottom w0.102: v1(45.63,28.48) 45.63,31.97 46.24,32.58 R76.1 46.12,33.16 46.12,35.67 v1(47.13,36.68)
/01.MAIN/PD13: length 50.2
  Top w0.102: v1(87.81,63.69) 89.91,63.69 90.27,63.33 v1(90.27,61.08) ; U4.A16 71.74,36.65 74.84,39.75 74.84,44.53 v1(74.93,44.62)
  POWER3 w0.102: v1(74.93,44.62) v1(88.64,44.62)
  Bottom w0.102: R41.2 87.06,64.85 U3.3 87.11,63.69 v1(87.81,63.69) ; v1(88.64,44.62) 88.93,44.91 88.93,51.43 90.29,52.79 90.29,61.06 v1(90.27,61.08)
